# KiCad board Notecarrier-F.kicad_pcb (continued)
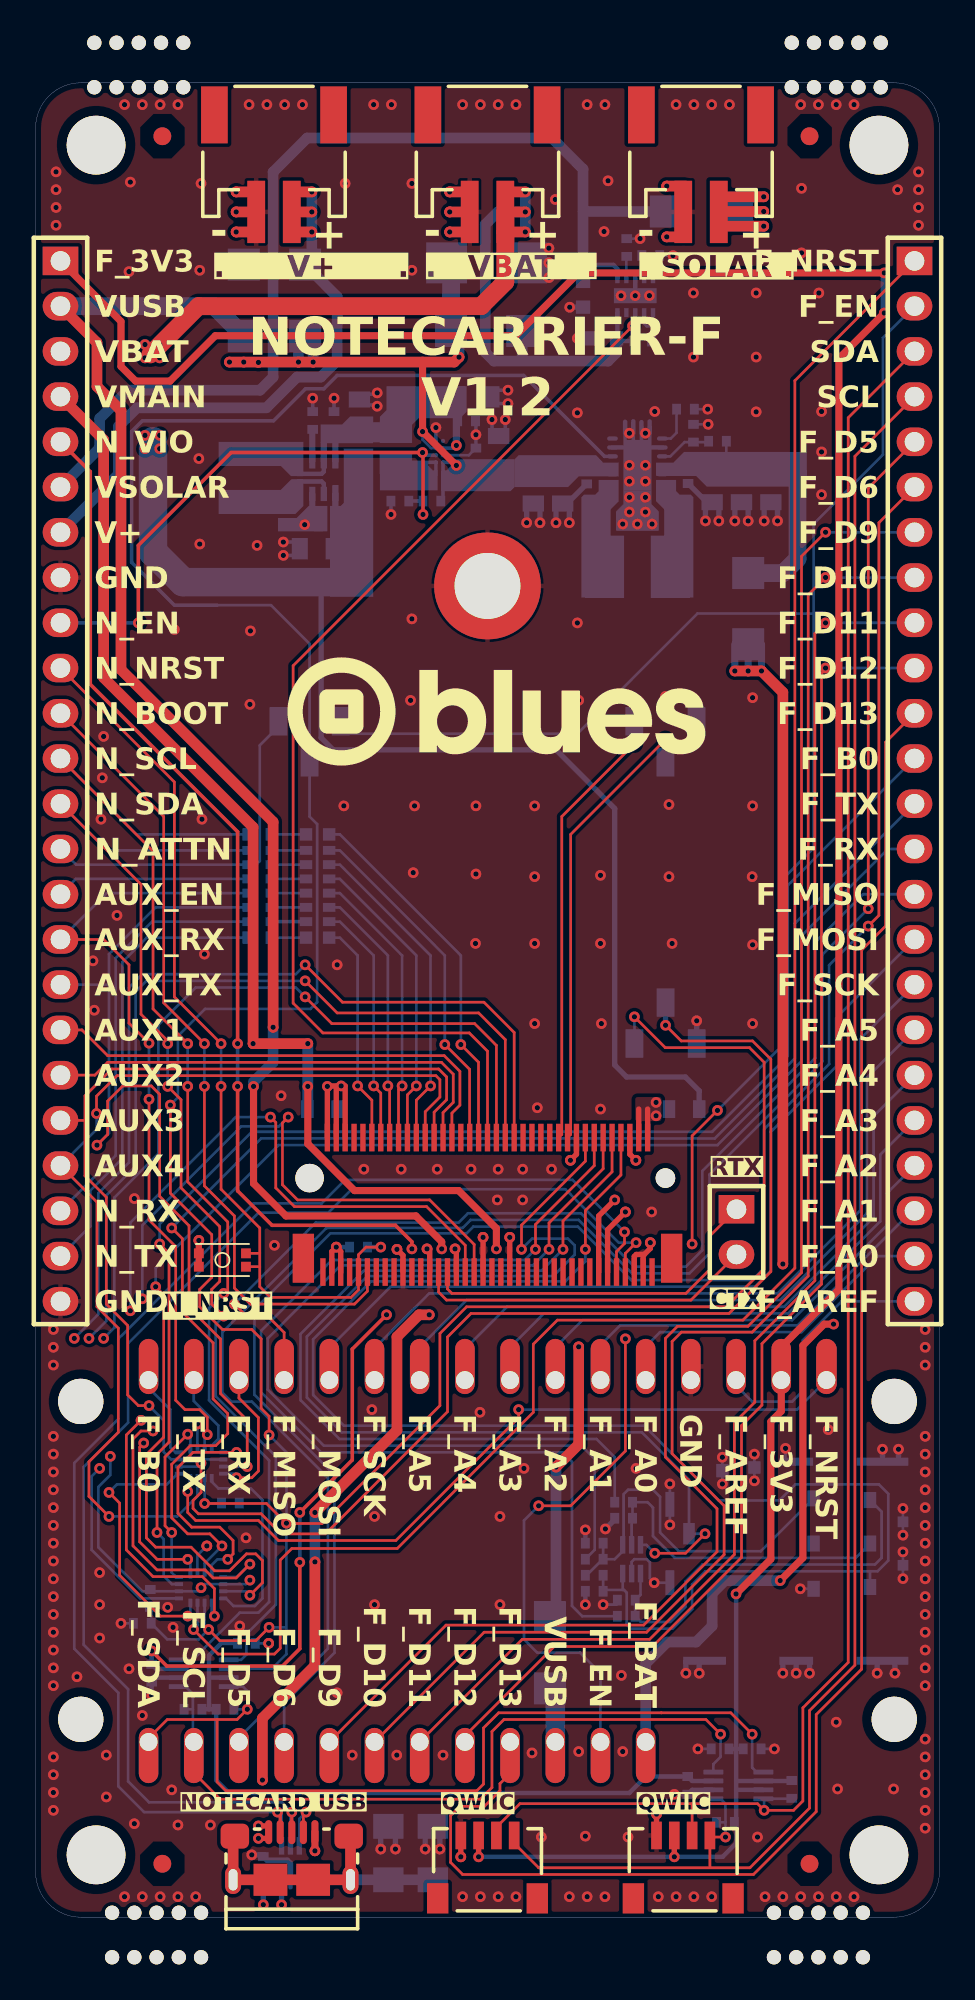
[diagram p0: board, top side]
## Library data of the parts (continued)
R3 = -: Description: Resistor; Datasheet 2: https://datasheet.octopart.com/CR0402-FX-4990GLF-Bourns-datasheet-159578630.pdf; Datasheet 3: https://datasheet.octopart.com/RC0402FR-07499RP-Yageo-datasheet-164759695.pdf; Design Description: Resistor 499R ±1% 0402; Design MPN: N/A; Design Manufacturer: N/A; MPN: 0402WGF4990TCE; MPN 2: CR0402-FX-4990GLF; MPN 3: RC0402FR-07499RP; Manufacturer: Royal Ohm; Manufacturer 2: Bourns; Manufacturer 3: Yageo; Mfr Description: Res Thick Film 0402 499 Ohm 1% 0.063W(1/16W) ±100ppm/°C Pad SMD T/R; Mfr Description 2: SMD Chip Resistor, 499 Ohm, ± 1%, 63 mW, 0402 [1005 Metric], Thick Film, General Purpose; Mfr Description 3: Res General Purpose Thick Film 0402 499 Ohm 1% 1/16W ±100ppm/°C Molded SMD Paper T/R
R5 = -: Description: Resistor; Datasheet 2: http://datasheet.octopart.com/CRCW12061M00FKEA-Vishay-datasheet-62317937.pdf; Datasheet 3: https://datasheet.octopart.com/RC1206FR-071ML-Yageo-datasheet-8359522.pdf; Datasheet 4: https://datasheet.octopart.com/CRCW12061M00FKEAC-Vishay-datasheet-546287.pdf; Design Description: Resistor 1M ±1% 1206; Design MPN: N/A; Design Manufacturer: N/A; MPN: CR1206-FX-1004ELF; MPN 2: CRCW12061M00FKEA; MPN 3: RC1206FR-071ML; MPN 4: CRCW12061M00FKEAC; Manufacturer: Bourns; Manufacturer 2: Vishay; Manufacturer 3: Yageo; Manufacturer 4: Vishay; Mfr Description: Res Thick Film 1206 1M Ohm 1% 1/4W ±100ppm/°C Molded SMD SMD Paper Tape on Plastic Reel; Mfr Description 2: Res Thick Film 1206 1M Ohm 1% 1/4W ±100ppm/°C Molded SMD SMD Paper T/R; Mfr Description 3: Res Thick Film 1206 1M Ohm 1% 0.25W(1/4W) ±100ppm/C Pad SMD T/R; Mfr Description 4: Res Thick Film 1206 1M Ohm 1% 1/4W ±100ppm/°C Molded SMD Paper T/R
R6 = -: Description: Resistor; Datasheet 2: http://datasheet.octopart.com/RC0402FR-0715KL-Yageo-datasheet-10408619.pdf; Datasheet 3: https://datasheet.octopart.com/CRCW040215K0FKTD-Vishay-datasheet-546287.pdf; Design Description: Resistor 15k ±1% 0402; Design MPN: N/A; Design Manufacturer: N/A; Design Order Code: P15.0KLCT-ND; Design Supplier: Digi-Key; MPN: PFR05S-153-FNH; MPN 2: RC0402FR-0715KL; MPN 3: CRCW040215K0FKTD; Manufacturer: Cyntec; Manufacturer 2: Yageo; Manufacturer 3: Vishay; Mfr Description: Res SMD 15 Kohm 1% 1/16W 0402; Mfr Description 2: Res Thick Film 1.0 x 0.5 mm 15K Ohm 1% 0.063W(1/16W) 100ppm/ C Molded SMD Paper T/R; Mfr Description 3: Res Thick Film 0402 15K Ohm 1% 0.063W(1/16W) ±100ppm/C Pad SMD Automotive T/R
R7-R9 = -: Description: Resistor; Design Description: Resistor 22R ±1% 0402; Design MPN: N/A; Design Manufacturer: N/A; Design Order Code: 311-22.0LRCT-ND; Design Supplier: Digi-Key; MPN: RC0402FR-0722RL; Manufacturer: Yageo; Mfr Description: Res Thick Film 0402 22 Ohm 1% 0.063W(1/16W) ±100ppm/C Pad SMD T/R
R13 = -: Description: Resistor; Datasheet 2: https://datasheet.octopart.com/RC0402FR-071M1L-Yageo-datasheet-164759695.pdf; Design Description: Resistor 1M1 ±1% 0402; Design MPN: N/A; Design Manufacturer: N/A; Design Order Code: 13-RC0402FR-071M1LCT-ND; Design Supplier: Digi-Key; MPN: AC0402FR-071M1L; MPN 2: RC0402FR-071M1L; Manufacturer: Yageo; Manufacturer 2: Yageo; Mfr Description: Res Thick Film 0402 1.1M Ohm 1% 0.063W(1/16W) ±100ppm/C Pad SMD Automotive T/R; Mfr Description 2: SMD Chip Resistor, 1.1 MOhm, ± 1%, 63 mW, 0402 [1005 Metric], Thick Film, General Purpose
R14 = -: Description: Resistor; Design Description: Resistor 180k ±1% 0402; Design MPN: N/A; Design Manufacturer: N/A; MPN: RC0402FR-07180KL; Manufacturer: Yageo; Mfr Description: Res Thick Film 0402 180K Ohm 1% 1/16W +/-100ppm/ßC Molded SMD Paper T/R
R17 = -: Description: Resistor; Datasheet 2: http://datasheet.octopart.com/RC0402FR-0782KL-Yageo-datasheet-62067350.pdf; Datasheet 3: http://datasheet.octopart.com/RMCF0402FT82K0-Stackpole-Electronics-datasheet-62091608.pdf; Design Description: Resistor 82k ±1% 0402; Design MPN: RC0402FR-0782KL; Design Manufacturer: Yageo; Design Order Code: 311-82.0KLRCT-ND; Design Supplier: Digi-key; MPN: CRCW040282K0FKED; MPN 2: RC0402FR-0782KL; MPN 3: RMCF0402FT82K0; Manufacturer: Vishay; Manufacturer 2: Yageo; Manufacturer 3: Stackpole Electronics; Mfr Description: Res Thick Film 0402 82K Ohm 1% 1/16W ±100ppm/°C Molded SMD Paper T/R; Mfr Description 2: Res Thick Film 0402 82K Ohm 1% 0.063W(1/16W) ±100ppm/C Pad SMD T/R; Mfr Description 3: Res Thick Film 0402 82K Ohm 1% 0.063W(1/16W) ±100ppm/C Pad SMD Automotive T/R
R18 = -: Description: Resistor; Design Description: Resistor 100k ±1% 0402; Design MPN: N/A; Design Manufacturer: N/A; Design Order Code: RHM100CDCT-ND; Design Supplier: Digi-Key; MPN: RC0402FR-07100KL; Manufacturer: Yageo; Mfr Description: Res General Purpose Thick Film 0402 100K Ohm 1% 1/16W ±100ppm/°C Molded SMD Paper T/R
R19 = -: Description: Resistor; Datasheet 2: https://datasheet.octopart.com/AC0402FR-0710ML-Yageo-datasheet-12512238.pdf; Design Description: Resistor 10M ±1% 0402; Design MPN: N/A; Design Manufacturer: N/A; Design Order Code: RC0402FR-0710ML; Design Supplier: Digi-Key; MPN: RC0402FR-0710ML; MPN 2: AC0402FR-0710ML; Manufacturer: Yageo; Manufacturer 2: Yageo; Mfr Description: Res General Purpose Thick Film 0402 10M Ohm 1% 1/16W ±100ppm/°C Molded Paper T/R; Mfr Description 2: Res Thick Film 0402 10M Ohm 1% 0.063W(1/16W) ±100ppm/C Pad SMD Automotive T/R
SW1 SW3 SW4 = -: Description: SWITCH SLIDE SPDT 100MA 6V; Datasheet 2: https://datasheet.octopart.com/CJS-1200TA1-Nidec-Copal-datasheet-138895868.pdf; Design Description: Switch Slide N.O./N.C. SPDT Raised Slide 0.1A 24VDC J-Hook SMD Embossed T/R; Design Manufacturer: Nidec Copal; Design Order Code: 563-1021-6-ND; Design Supplier: Digi-Key; MPN 2: CJS-1200TA1; MPN 3: CJS-1200TA2; Manufacturer: Nidec Copal; Manufacturer 2: Nidec Copal; Manufacturer 3: Nidec Copal; Mfr Description: Switch Slide N.O./N.C. SPDT Raised Slide 0.1A 24VDC J-Hook SMD Embossed T/R; Mfr Description 2: Switch Slide DIP SPDT 100MA 6V; Mfr Description 3: SPDT, ON-ON Slide, 100mA @ 6V DC J-Hook SMD Terminals, T&R 1, 000 pc Packaging, Non-washable with tape
SW2 = -: Description: Push button switch, generic, two pins; Design Description: SWITCH TACTILE SPST-NO 0.05A 15V; Design Manufacturer: Panasonic Electronic Components; Manufacturer: Panasonic; Mfr Description: Switch Tactile N.O. SPST Round Button Gull Wing 0.02A 15VDC 1.6N SMD T/R
TVS1 = -: Description: 600W unidirectional Transil Transient Voltage Suppressor, 6.8Vrwm, DO-214AA; Design Description: DIODO TVS TRANSIL UNIDIR. 600W 6.8V SM6T6V8A SMB SMT; Design Manufacturer: STMicroelectronics; Design Order Code: 497-6501-1-ND; Design Supplier: Digi-Key; Manufacturer: STMicroelectronics; Mfr Description: SM6T Series 600 W 6.8 V Uni Directional Transient Voltage Suppressor - DO-214AA
TVS2 TVS3 = -: Description: Low capacitance unidirectional fivefold ESD protection diode array, 5.0V, Common Anode, SOT-666; Datasheet 2: http://datasheet.octopart.com/PESD5V0L5UV%2C115-Nexperia-datasheet-87153653.pdf; Datasheet 3: http://datasheet.octopart.com/PESD5V0L5UV%2C125-Nexperia-datasheet-87153653.pdf; Design Description: PESD Series 25 W 5 V Uni-Directional Fivefold ESD Protection Diode Array SOT-666; Design Manufacturer: Nexperia; Design Order Code: 1727-5797-1-ND; Design Supplier: Digi-Key; MPN: ESDLC5V0M5-TP; MPN 2: PESD5V0L5UV,115; Manufacturer: MCC; Manufacturer 2: Nexperia; Manufacturer 3: Nexperia; Mfr Description: ESD Suppressors / TVS Diodes 5V ESD Protection Devices; Mfr Description 2: PESD5V0L5UV - Low capacitance unidirectional fivefold ESD protection diode arrays; Mfr Description 3: PESD5V0L5UV - Low capacitance unidirectional fivefold ESD protection diode arrays
U1 U4 = -: Description: 2-Bit Bidirectional Voltage-Level Shifter for Open-Drain and Push-Pull Application, VSSOP-8; Design Description: 2-Bit Bidirectional Voltage-Level Shifter for Open-Drain and Push-Pull Application 8-VSSOP -40 to 85; Design Manufacturer: Texas Instruments; Design Order Code: 296-21931-6-ND; Design Supplier: Digi-Key; Manufacturer: Texas Instruments; Mfr Description: 2-Bit Bidirectional Voltage-Level Shifter for Open-Drain and Push-Pull Application 8-VSSOP -40 to 85
U2 = -: Description: 800-mA, Single-Input, Single-Cell Li-Ion Battery Solar Charger, WSON-10; Datasheet 2: https://octopart.com/opatz8j6/c1?t=7-wFuY1_ByudSAAsJC5ycWYTRP1PWjGzQzkpC1UJkB-6S8__xUAgFX3zS8o22TUmX1CoCcQ0-DS4Q8Lnah3WuvJtCgUoWGmJ8w_8yyqZChGCOFPCA04McPPhnVPekbB0VuZFonNkBUVZeKPS7CTOQcrgFNldMHL8btboxagtUS-JggrKVKUMqt_TodDWQCVPzQL6-rWxXMbOcd93UPs3bkeZBJMV0B-BIXruUq603aPnbs2cirKc8w; Design Description: INTEGRATO BQ24210DQCT WSON10 TEXAS SMT; Design Manufacturer: Texas Instruments; Design Order Code: 296-28738-1-ND; Design Supplier: Digi-Key; MPN: BQ24210DQCR; Manufacturer: Texas Instruments; Manufacturer 2: Texas Instruments; Mfr Description: 800mA, single-input, single cell Li-ion Solar battery charger 10-WSON -40 to 85; Mfr Description 2: 800mA, single-input, single cell Li-ion Solar battery charger 10-WSON -40 to 85
U3 = -: Description: IC REG BCK BST ADJ 3.5A 14VSON; Datasheet 2: https://octopart.com/opatz8j6/c1?t=F5MXvDztptQJYCfOaNqYA5YHpfzi7D1AHzYd-XHzW7g_thqbuF__O_vXfmE0jJ46NgLLDlM8ofj3SDFn8zJFZl_xieY9lCYbTUCWS9BKVt-rn9Ej28tDD2laRkV3v3CrmnJAqFvwwvnV5K1NF-McG067VJKWB2jr3_fCLuqC6xHur-_TTE0jf1muCpHSy-57uUACq7843wDux1UHMTnGkEapj4d0IEsudcTewT4BXKt6F798FVmvgLg; Design Description: I.C. DC/DC CONVERTER TPS63020DSJR TEXAS VSON14 SMT; Design Manufacturer: Texas Instruments; Design Order Code: 296-36491-1-ND; Design Supplier: Digi-Key; MPN 2: TPS63020DSJT; Manufacturer: Texas Instruments; Manufacturer 2: Texas Instruments; Mfr Description: High Efficiency Single Inductor Buck-Boost Converter with 4A Switch 14-VSON -40 to 125; Mfr Description 2: High Efficiency Single Inductor Buck-Boost Converter with 4A Switch 14-VSON -40 to 125
U5 U6 = -: Description: Analog Switch Dual DPDT / Quad SPDT; Design Description: Analog Switch Quad SPDT Automotive 16-Pin Mini-QFN T/R; Design Manufacturer: Vishay; Design Order Code: DGQ2788AEN-T1-GE4CT-ND; Design Supplier: Digi-Key; Manufacturer: Vishay; Mfr Description: Analog Switch Quad SPDT Automotive 16-Pin Mini-QFN T/R
U7 = -: Description: Boost Switching Regulator IC Positive Adjustable 1.8V 1 Output 1A (Switch) 6-WDFN without "BOOST" label; Design Description: IC REG BOOST ADJ 1A NANO 6UDFN; Design Manufacturer: Maxim; Design Order Code: MAX17225ELT+ -ND; Design Supplier: Digi-Key; MPN: MAX17225ELT+T; Manufacturer: Maxim Integrated; Mfr Description: nanoPower Boost Converter that Extends Battery Life and Reduces Solution Size
U8 = -: Description: IC REG BUCK PROG 300MA 8DSBGA without "BUCK" label; Datasheet 2: https://octopart.com/click/track?ai=8983&ct=datasheets&sig=0bb88ac&at=physicalpart&sid=370&ppid=65759720&hlid=32268020; Design Description: IC REG BUCK PROG 300MA 8DSBGA; Design Manufacturer: Texas Instruments; Design Order Code: 296-43000-1-ND; Design Supplier: Digi-Key; MPN: TPS62748YFPR; Manufacturer: Texas Instruments; Manufacturer 2: Texas Instruments; Mfr Description: High-efficiency Buck Converter with Ultra-low Quiescent Current and Load Switch 8-DSBGA -40 to 125; Mfr Description 2: Conv DC-DC 2.15V to 5.5V Step Down Single-Out 1.2V/1.8V 0.3A 8-Pin DSBGA T/R

## Footprints (pads in the part's own frame, mm; a bottom-side part is the same pattern mirrored in y, then rotated)
12PIN_254MM_Fv1.2
  rrect 1.1x3.1 hole 1: 1(0,0) 2(2.54,0) 3(5.08,0) 4(7.62,0) 5(10.16,0) 6(12.7,0) 7(15.24,0) 8(17.78,0) 9(20.32,0) 10(22.86,0) 11(25.4,0) 12(27.94,0)
16PIN_254MM_Fv1.2
  rrect 1.16x3.1 hole 1: 1(0,0)
  rrect 1.1x3.1 hole 1: 2(2.54,0) 3(5.08,0) 4(7.62,0) 5(10.16,0) 6(12.7,0) 7(15.24,0) 8(17.78,0) 9(20.32,0) 10(22.86,0) 11(25.4,0) 12(27.94,0) 13(30.48,0) 14(33.02,0) 15(35.56,0) 16(38.1,0)
1285AS-H-2R2M=P2-INDC2016X100N_Fv1.2
  rect 1.2x1.82 smd: 1(-0.86,0) 2(0.86,0)
C-0402_Fv1.2
  rect 0.5x0.6 smd: 1(-0.5,0) 2(0.5,0)
C-0603_Fv1.2
  rect 0.75x0.8 smd: 1(-0.725,0) 2(0.725,0)
C-0805_Fv1.2
  rect 0.9x1.2 smd: 1(-0.95,0) 2(0.95,0)
C-1206_Fv1.2
  rect 1.4x1.7 smd: 1(-1.5,0) 2(1.5,0)
CES-124-01-S-S_Fv1.2
  rect 2x1.6 hole 1.1: 1(0,0)
  oval 2x1.6 hole 1.1: 2(0,-2.54) 3(0,-5.08) 4(0,-7.62) 5(0,-10.16) 6(0,-12.7) 7(0,-15.24) 8(0,-17.78) 9(0,-20.32) 10(0,-22.86) 11(0,-25.4) 12(0,-27.94) 13(0,-30.48) 14(0,-33.02) 15(0,-35.56) 16(0,-38.1) 17(0,-40.64) 18(0,-43.18) 19(0,-45.72) 20(0,-48.26) 21(0,-50.8) 22(0,-53.34) 23(0,-55.88) 24(0,-58.42)
CONN_02_Fv1.2
  rect 2x1.6 hole 1.1: 1(0,0)
  oval 2x1.6 hole 1.1: 2(0,-2.54)
DIST-WASMSIM0250_Fv1.2
  round 6 hole 3.7: 1(0,0)
DO-214AC SMA_Fv1.2
  rect 1.8x1.8 smd: 1(-2,0) 2(2,0)
FCI USB 10118193-0001LF_Fv1.2
  oval 0.4x1.35 smd: 1(1.3,-2.625) 2(0.65,-2.625) 3(0,-2.625) 4(-0.65,-2.625) 5(-1.3,-2.625)
  oval 0.9x1.6 hole 0.5x1.2: 6(-3.3,0.05) 6(3.3,0.05)
  rrect 1.6x1.4 smd: 6(-3.2,-2.4) 6(3.2,-2.4)
  rect 1.9x1.8 smd: 6(-1.2,0.05) 6(1.2,0.05)
Fiducial mark 1mm_Fv1.2
  round 1 smd: (0,0)
FS-0603_Fv1.2
  rect 0.7x1 smd: 1(-0.85,0) 2(0.85,0)
IND_XFL4020-222MEC_Fv1.2
  rect 0.98x3.4 smd: 1(-1.185,0) 2(1.185,0)
J-75-0050-MOS-M2_Fv1.2
  rect 1.2x2.75 smd: (-10.35,3) (10.35,3)
  round 1.1 hole 1.1 unplated: (-10,-1.5)
  rect 0.3x1.55 smd: (-3.5,-3.775) (-3.25,3.775) (-3,-3.775) (-2.75,3.775) (-2.5,-3.775) (-2.25,3.775) (-2,-3.775) (-1.75,3.775) 1(-9.25,3.775) 2(-9,-3.775) 3(-8.75,3.775) 4(-8.5,-3.775) 5(-8.25,3.775) 6(-8,-3.775) 7(-7.75,3.775) 8(-7.5,-3.775) 9(-7.25,3.775) 10(-7,-3.775) 11(-6.75,3.775) 12(-6.5,-3.775) 13(-6.25,3.775) 14(-6,-3.775) 15(-5.75,3.775) 16(-5.5,-3.775) 17(-5.25,3.775) 18(-5,-3.775) 19(-4.75,3.775) 20(-4.5,-3.775) 21(-4.25,3.775) 22(-4,-3.775) 23(-3.75,3.775) 32(-1.5,-3.775) 33(-1.25,3.775) 34(-1,-3.775) 35(-0.75,3.775) 36(-0.5,-3.775) 37(-0.25,3.775) 38(0,-3.775) 39(0.25,3.775) 40(0.5,-3.775) 41(0.75,3.775) 42(1,-3.775) 43(1.25,3.775) 44(1.5,-3.775) 45(1.75,3.775) 46(2,-3.775) 47(2.25,3.775) 48(2.5,-3.775) 49(2.75,3.775) 50(3,-3.775) 51(3.25,3.775) 52(3.5,-3.775) 53(3.75,3.775) 54(4,-3.775) 55(4.25,3.775) 56(4.5,-3.775) 57(4.75,3.775) 58(5,-3.775) 59(5.25,3.775) 60(5.5,-3.775) 61(5.75,3.775) 62(6,-3.775) 63(6.25,3.775) 64(6.5,-3.775) 65(6.75,3.775) 66(7,-3.775) 67(7.25,3.775) 68(7.5,-3.775) 69(7.75,3.775) 70(8,-3.775) 71(8.25,3.775) 72(8.5,-3.775) 73(8.75,3.775) 74(9,-3.775) 75(9.25,3.775)
  round 1.6 hole 1.6 unplated: (10,-1.5)
J-NANOSIM-SF72S006VBA_Fv1.2
  rect 0.9x0.7 smd: C1(1.46,-4.05) C2(-0.98,-4.05) C3(-3.42,-4.05) C5(1.56,-0.88) C6(-0.98,-0.88) C7(-3.52,-0.88)
  rect 0.7x0.7 smd: CSW(-5.25,2.45)
  rect 1.2x0.65 smd: DSW(-1.53,6.125)
  rect 0.45x2.9 smd: SH(-5.575,-4.75) SH(5.6,-4.75)
  rect 0.45x1.9 smd: SH(-5.575,0.1) SH(5.6,0.1)
  rect 0.75x0.7 smd: SH(-5.075,4.25)
  rect 1.4x0.5 smd: SH(-3.18,7.2) SH(1.22,7.2)
  rect 0.6x0.6 smd: SH(-2.2,-5.9) SH(0.24,-5.9)
  rect 0.45x2.4 smd: SH(5.6,5.25)
JST S2B-PH-SM4-TB_Fv1.2
  rect 1.5x3.2 smd: (-3.35,1.2) (3.35,1.2)
  rect 1x3.5 smd: 1(-1,-4.25) 2(1,-4.25)
JST SM04B-SRSS-TB_Fv1.2
  rect 1.2x1.7 smd: (-2.8,1.5) (2.8,1.5)
  rect 0.6x1.55 smd: 1(-1.5,-2.032) 2(-0.5,-2.032) 3(0.5,-2.032) 4(1.5,-2.032)
MAX17225ELT+UDFN_Fv1.2
  rect 0.9x0.35 smd: 1(0.05,0)
  rect 0.8x0.35 smd: 2(0,-0.65) 3(0,-1.3) 4(1.83,-1.3) 5(1.83,-0.65) 6(1.83,0)
MountingHole_2.54mm_no-courtyard
  round 2.54 hole 2.54 unplated: (0,0)
MountingHole_3.3mm_no-courtyard
  round 3.3 hole 3.3 unplated: (0,0)
mouse-bite-5x0.8P1.25_Fv1.2
  round 0.8 hole 0.8 unplated: (0.25,2.25) (0.25,-0.25) (1.5,2.25) (1.5,-0.25) (2.75,2.25) (2.75,-0.25) (4,2.25) (4,-0.25) (5.25,2.25) (5.25,-0.25)
QFN40P260X180X60-16N_Fv1.2
  rrect 0.562x0.225 smd: 1(-0.795,0.6)
  rrect 0.463x0.22 smd: 2(-0.845,0.2) 3(-0.845,-0.2) 4(-0.845,-0.6) 9(0.845,-0.6) 10(0.845,-0.2) 11(0.845,0.2) 12(0.845,0.6)
  rrect 0.22x0.463 smd: 5(-0.6,-1.245) 6(-0.2,-1.245) 7(0.2,-1.245) 8(0.6,-1.245) 13(0.6,1.245) 14(0.2,1.245) 15(-0.2,1.245) 16(-0.6,1.245)
R-0402_Fv1.2
  rect 0.5x0.6 smd: 1(-0.5,0) 2(0.5,0)
R-1206_Fv1.2
  rect 1.4x1.7 smd: 1(-1.5,0) 2(1.5,0)
RESCAXS80P640X160X50-16N_Fv1.2
  rect 0.7x0.7 smd: 1(-2.9,-0.65) 8(2.9,-0.65) 9(2.9,0.65) 16(-2.9,0.65)
  rect 0.5x0.7 smd: 2(-2,-0.65) 3(-1.2,-0.65) 4(-0.4,-0.65) 5(0.4,-0.65) 6(1.2,-0.65) 7(2,-0.65) 10(2,0.65) 11(1.2,0.65) 12(0.4,0.65) 13(-0.4,0.65) 14(-1.2,0.65) 15(-2,0.65)
SMB_Fv1.2
  rect 2.3x2.3 smd: 1(2.25,0) 2(-2.25,0)
SOP50P310X90-8N_Fv1.2
  rrect 1.12x0.27 smd: 1(-1.405,0.75) 2(-1.405,0.25) 3(-1.405,-0.25) 4(-1.405,-0.75) 5(1.405,-0.75) 6(1.405,-0.25) 7(1.405,0.25) 8(1.405,0.75)
SOT666_Fv1.2
  rect 0.3x0.99 smd: 1(-0.5,-0.805) 2(0,-0.805) 3(0.5,-0.805) 4(0.5,0.805) 5(0,0.805) 6(-0.5,0.805)
SW_CJS-1200TA_Fv1.2
  rect 1x1.6 smd: 1(-1.75,-1.15) 2(0,1.15) 3(1.75,-1.15)
SW_EVP-BB2A9B000_Fv1.2
  rect 0.55x0.55 smd: 1(-1.325,0.375) 1(-1.325,-0.375) 2(1.325,0.375) 2(1.325,-0.375)
TI PVSON-14 DSJ_Fv1.2
  oval 0.6x0.24 smd: 1(-1.4,1.5) 2(-1.4,1) 3(-1.4,0.5) 4(-1.4,0) 5(-1.4,-0.5) 6(-1.4,-1) 7(-1.4,-1.5) 8(1.4,-1.5) 9(1.4,-1) 10(1.4,-0.5) 11(1.4,0) 12(1.4,0.5) 13(1.4,1) 14(1.4,1.5)
  rect 0.2x0.775 smd: 15(-0.69,-1.8) 15(-0.69,1.8) 15(-0.23,-1.8) 15(-0.23,1.8) 15(0.23,-1.8) 15(0.23,1.8) 15(0.69,-1.8) 15(0.69,1.8)
  rect 1.58x2.85 smd: 15(0,0)
TPS62748YFPT-DSBGA4x2_Fv1.2
  round 0.245 smd: A1(0,0) A2(0.4,0) B1(0,-0.4) B2(0.4,-0.4) C1(0,-0.8) C2(0.4,-0.8) D1(0,-1.2) D2(0.4,-1.2)
VCHA042A-1R5MS6_Fv1.2
  rect 2.2x3.5 smd: 1(-1.85,0) 2(1.85,0)
weird-no-fill-via_Fv1.2
  round 0.6 smd: (0,0)
WSON10-EXP_Fv1.2
  rect 0.5x0.25 smd: 1(-0.95,1) 2(-0.95,0.5) 3(-0.95,0) 4(-0.95,-0.5) 5(-0.95,-1) 6(0.95,-1) 7(0.95,-0.5) 8(0.95,0) 9(0.95,0.5) 10(0.95,1)
  rect 0.84x2.4 smd: 11(0,0)

## Nets
1V8: C20.1 C21.2 C28.2 C32.2 L1.2 L3.1 U7.5 U7.6 U8.C2
GND: C1.1 C2.1 C3.2 C4.2 C5.1 C6.1 C7.1 C8.1 C9.1 C10.1 C11.2 C12.2 C13.2 C14.2 C15.1 C16.1 C17.1 C18.1 C19.1 C20.2 C21.1 C22.2 C23.2 C24.2 C25.1 C26.2 C27.1 C28.1 C29.1 C30.1 C31.2 C32.1 J1.1 J2.1 J3.1 J4.5 J5.C5 J5.CSW J5.SH J6.3 J6.5 J6.6 J6.11 J6.18 J6.33 J6.39 J6.45 J6.51 J6.57 J6.71 J6.73 J7.4 J8.4 J10.8 J10.24 MODL1.4 OBJ1.1 R3.1 R4.1 R5.2 R14.1 R16.2 R17.2 REF**#6. REF**#15. SW2.2 SW4.1 TVS1.2 TVS2.2 TVS3.2 U1.2 U2.3 U2.11 U3.2 U3.13 U3.15 U4.2 U5.2 U6.2 U7.3 U8.B2 U8.D1
VBAT: C2.2 DS2.1 J3.2 J10.3 R2.2 U2.10
/Feather/ALT_DFU_ACTIVE: J6.36 R18.1 U5.6 U5.14
/Feather/ALT_DFU_BOOT: J6.32 U5.1
/Feather/ALT_DFU_RESET: J6.34 U5.13
/Feather/ALT_DFU_RX: J6.41 U5.5
/Feather/ALT_DFU_TX: J6.43 U5.9
/Feather/DFU_SW: SW4.2 U6.6 U6.14
/Feather/EN_F_BAT: C10.2 C15.2 R18.2 SW3.2 SW4.3 U3.12 U4.6 U5.10 U6.10
/Feather/F_A0: J9.23 MODL1.5
/Feather/F_A1: J9.22 MODL1.6
/Feather/F_A2: J9.21 MODL1.7
/Feather/F_A3: J9.20 MODL1.8
/Feather/F_A4: J9.19 MODL1.9
/Feather/F_A5: J9.18 MODL1.10
/Feather/F_AREF: J9.24 MODL1.3
/Feather/F_B0: MODL1.16 U6.16
/Feather/F_B0_SW: J9.12 U5.15
/Feather/F_D5: J9.5 MODR1.10
/Feather/F_D6: J9.6 MODR1.9
/Feather/F_D9: J9.7 MODR1.8
/Feather/F_D10: J9.8 MODR1.7
/Feather/F_D11: J9.9 MODR1.6
/Feather/F_D12: J9.10 MODR1.5
/Feather/F_D13: J9.11 MODR1.4
/Feather/F_EN: J9.2 MODR1.2 SW3.3
/Feather/F_MISO: J9.15 MODL1.13
/Feather/F_MOSI: J9.16 MODL1.12
/Feather/F_NRST: MODL1.1 U6.12
/Feather/F_NRST_SW: J9.1 U5.11
/Feather/F_RX: MODL1.14 U6.8
/Feather/F_RX_SW: J9.14 U5.7
/Feather/F_SCK: J9.17 MODL1.11
/Feather/F_SCL: MODR1.11 R12.1 U1.4 U4.1
/Feather/F_SDA: MODR1.12 R11.1 U1.5 U4.8
/Feather/F_TX: MODL1.15 U6.4
/Feather/F_TX_SW: J9.13 U5.3
/Feather/F_VUSB: DS6.1 MODR1.3
/Feather/N_ATTN: J10.14 R20.6 SW3.1
/Feather/N_AUX3: J6.50 J10.20 U6.15
/Feather/N_AUX4: J6.52 J10.21 U6.11
/Feather/N_AUX_RX: J10.16 R20.4 U6.3
/Feather/N_AUX_TX: J10.17 R20.3 U6.7
/Feather/SW_SCL: J7.1 J8.1 J9.4 R15.2 U1.1
/Feather/SW_SDA: J7.2 J8.2 J9.3 R10.1 U1.8
/IO/N_AUX_EN: J10.15 R20.5
/IO/N_BOOT: J6.65 J10.11
/IO/N_NRST: C9.2 J6.67 J10.10 SW2.1
/IO/N_RX: J10.22 R20.2
/IO/N_TX: J10.23 R20.1
/N_EN: C31.1 J10.9 R19.1 U8.B1
/Notecard/ATTN_P: J6.54 R1.11
/Notecard/AUX_CHARGING: J6.38 U2.8
/Notecard/AUX_EN_P: J6.56 R1.12
/Notecard/AUX_RX_P: J6.58 R1.13
/Notecard/AUX_TX_P: J6.60 R1.14
/Notecard/CTX: J6.49 J11.2
/Notecard/D_N: J4.2 J6.9 TVS3.4
/Notecard/D_P: J4.3 J6.7 TVS3.5
/Notecard/N_AUX1: J6.46 J10.18
/Notecard/N_AUX2: J6.48 J10.19
/Notecard/N_SCL: J10.12 R20.8 U4.4
/Notecard/N_SDA: J10.13 R20.7 U4.5
/Notecard/RTX: J6.47 J11.1
/Notecard/RX_P: J6.62 R1.15
/Notecard/SIM_CLK: J6.14 R8.1
/Notecard/SIM_IO: J6.12 R9.1
/Notecard/SIM_NPRESENT: J5.DSW J6.16 TVS2.6
/Notecard/SIM_RST: J6.10 R7.1
/Notecard/SIM_VCC: C5.2 J5.C1 J6.8 R6.2 TVS2.3
/Notecard/TX_P: J6.64 R1.16
F_3V3: C12.1 J7.3 J8.3 J10.1 MODL1.2 R10.2 R15.1 R16.1 U1.6 U1.7
F_BAT: C11.1 C14.1 DS5.2 MODR1.1 R11.2 R12.2 U1.3 U4.7
N_VIO: C13.1 C19.2 C29.2 F1.1 J10.5 U4.3 U7.1
V+: DS1.1 J1.2 J10.7
VIO_P: F1.2 J6.2 J6.4
VMAIN: C16.2 C17.2 C26.1 C27.2 C30.2 DS1.2 DS2.2 DS6.2 F2.1 J10.4 R19.2 TVS1.1 U3.10 U3.11 U8.A2 U8.C1
VSOLAR: C1.2 DS3.2 DS4.2 J10.6 U2.1
VUSB: C3.1 DS3.1 J4.1 J6.13 J10.2 TVS3.3
Net-(DS4-A): DS4.1 J2.2
Net-(DS5-A): C22.1 C23.1 C24.1 C25.2 DS5.1 R13.2 U3.4 U3.5
Net-(F2-Pad2): F2.2 J6.70 J6.72 J6.74
Net-(J4-ID): J4.4 TVS3.6
Net-(J4-Shield): C4.1 J4.6 R5.1
Net-(J5-CLK): C7.2 J5.C3 R8.2 TVS2.1
Net-(J5-I/O): C8.2 J5.C7 R6.1 R9.2 TVS2.4
Net-(J5-RST): C6.2 J5.C2 R7.2 TVS2.5
Net-(J6-SCL_P): J6.40 R1.9
Net-(J6-SDA_P): J6.42 R1.10
Net-(J6-VACT_GPS_IN): J6.22 SW1.1
Net-(J6-VACT_GPS_OUT): J6.20 SW1.2
Net-(R1-R1_1): R1.1 R20.16
Net-(R1-R2_1): R1.2 R20.15
Net-(R1-R3_1): R1.3 R20.14
Net-(R1-R4_1): R1.4 R20.13
Net-(R1-R5_1): R1.5 R20.12
Net-(R1-R6_1): R1.6 R20.11
Net-(R1-R7_1): R1.7 R20.10
Net-(R1-R8_1): R1.8 R20.9
Net-(U2-ISET): R3.2 U2.2
Net-(U2-TS): R4.2 U2.4 U2.5
Net-(U2-~{EN}): R2.1 U2.6 U2.7
Net-(U3-FB): R13.1 R14.2 U3.3
Net-(U3-L1-1): L2.2 U3.8 U3.9
Net-(U3-L2-1): L2.1 U3.6 U3.7
Net-(U3-VINA): C18.2 U3.1
Net-(U5-COM1): U5.12 U6.13
Net-(U5-COM2): U5.16 U6.1
Net-(U5-COM3): U5.4 U6.5
Net-(U5-COM4): U5.8 U6.9
Net-(U7-LX): L1.1 U7.2
Net-(U7-SEL): R17.1 U7.4
Net-(U8-SW): L3.2 U8.A1

Pads without a net: J5 C6; J6 1 15 17 19 21 23 35 37 44 53 55 59 61 63 66 68 69 75; SW1 3; TVS3 1; U2 9; U3 14; U8 D2

## Via types
v1: diameter 0.6, hole 0.3, Top to Bottom, 505 vias

## Routing (per net, layer and track width the routed paths; a pad name or vN(x,y) marks a point on that pad's centre or on a via; arc(x,y) is an arc through that point)
1V8: length 8.5
  Bottom w0.2: 23.65,85.29 23.72,85.37 ; U8.C2 23.65,82.49
  Bottom w0.25: 16.2,81.75 16.2,81.17 16.08,81.05 14.7,81.05
  Bottom w0.35: C28.2 16.85,83.47 16.85,81.75 ; 16.2,81.75 16.2,82.82
  Bottom w0.4: v1(23.65,82.64) 23.65,85.29
GND: length 116.3
  Top w0.3: J6.6 33.4,42.84 33.74,42.5 ; 26.65,36.23 v1(26.65,38.18) ; v1(23.9,3.39) 23.9,4.59 ; v1(34.55,37.88) 34.55,37.55 34.21,37.21 33.76,37.21 33.65,37.1 33.65,36.23 ; v1(33.15,39.6) 32.15,38.6 32.15,36.23 ; 20.31,37.5 20.65,37.16 20.65,36.23 ; 34.9,4.59 v1(34.9,5.79) ; J6.18 30.4,42.84 v1(30.06,42.5) ; 25.15,36.23 v1(25.15,38.18) ; 34.15,36.23 34.15,37.15 ; 16.65,36.23 16.65,37.38 16.9,37.63 17.15,37.38 17.15,36.23 ; 22.15,36.23 22.15,37.53 ; 23.65,36.23 23.65,37.53
  Top w0.35: 9.17,38 9.17,36.52
  Top w0.4: 15.7,3.73 J4.5
  Top w0.6: v1(11.27,94.62) 12.4,94.62 ; v1(23.27,94.62) 24.4,94.62 ; v1(11.27,95.75) J1.1 ; v1(23.27,95.75) J3.1 ; 35.47,97.2 36.55,97.2 ; v1(23.27,96.88) 24.4,96.88 ; 35.47,94.35 36.55,94.35 ; v1(11.27,96.88) 12.4,96.88
  Bottom w0.15: v1(48.75,19.01) J5.SH v1(48.75,20.51) ; v1(31.9,17.55) 32.65,17.55 ; 37.05,83.83 v1(37.8,83.83) ; 40.77,9.45 v1(41.52,9.45) ; v1(4.8,16.5) C15.1 ; 38.6,24.33 J5.SH 38.6,25.83 ; v1(35.65,22.03) 35.65,22.78 ; v1(37.22,9.45) 37.97,9.45 ; J5.SH v1(34.77,18.78) 34.53,19.03 34.53,19.93 34.35,20.1 33.65,20.1 33.5,19.95 TVS2.2 ; R4.1 v1(35.83,93.3) ; U6.2 v1(9.1,27.7) ; v1(42.98,18.44) J5.C5 ; v1(48.75,22.95) J5.SH v1(48.75,21.45) ; 42.15,25.58 42.15,26.33 ; 9.62,20.85 9.1,20.32 9.1,19.35 ; C26.2 24.35,82.09 U8.B2 ; v1(40.4,24.5) J5.CSW v1(40.4,26) ; R3.1 v1(33.97,94.25) ; 35.65,23.58 v1(35.65,24.33) ; 37.03,84.68 v1(37.78,84.68) ; C14.2 v1(13.1,15.38)
  Bottom w0.2: R17.2 v1(15.58,85.29) ; C32.1 24.75,83.99 v1(24.75,83.24) C26.2 ; 18.45,84.92 19.2,84.92 ; 18.49,85.52 19.24,85.52 ; 26.4,83.34 v1(26.4,84.09) ; 25.65,83.38 25.65,84.13 ; 19.97,78.77 C31.2 ; U8.D1 v1(22.5,83.64) ; 25.8,84.99 v1(26.55,84.99) ; v1(13.92,77.22) 14.67,77.22 ; C28.1 v1(16.78,85.29) ; 25.84,85.74 26.59,85.74 ; 13.89,76.47 14.64,76.47
  Bottom w0.25: U3.15 34.06,83.94 ; v1(35.9,6.9) C11.2 36.9,7.15 U1.2 ; 14.33,2.4 14.33,1.68 ; C8.1 v1(30.9,21.75) ; U4.2 6.77,13.45 C13.2 v1(6.52,12.45) ; U3.15 33.14,83.97 ; 32.42,82.53 35.22,82.53 ; U3.15 33.59,84 ; U3.15 34.52,83.98 ; v1(33.7,91.05) 33.7,92 ; 16.9,37.63 17.65,37.63 ; v1(30.9,17.55) C5.1
  Bottom w0.3: C3.2 13,3.2 14.15,3.2 14.33,3.03 14.33,2.4 ; v1(48.3,13.7) 48.3,14.45 ; v1(22.72,3.82) 22.72,4.7 ; v1(40.05,78.4) 40.05,79.15 ; v1(30.45,88.65) C2.1 ; v1(41.7,78.4) 41.7,79.15 ; SW4.1 v1(37.16,50.33) ; v1(40.95,78.4) 40.95,79.15 ; v1(38.4,78.4) 38.4,79.15 ; v1(20.22,3.82) 20.22,4.7 ; v1(30,78.3) 30,79.05 ; C25.1 37.72,79.45 ; v1(12.15,3.5) 12.9,3.5 ; v1(43.5,13.7) 43.5,14.4 ; v1(27.6,78.3) 27.6,79.05 ; v1(30.02,90.4) C1.1 ; v1(19.4,3.82) 19.4,4.7 ; v1(39.3,78.4) 39.3,79.15 ; v1(36.55,13.7) 36.55,14.4 ; J5.SH v1(47.6,26.28) ; v1(47.3,13.7) 47.3,14.4 ; v1(42,13.7) 42,14.4 ; v1(37.3,13.7) 37.3,14.4 ; v1(28.35,78.3) 28.35,79.05 ; 29.92,79.43 C30.1 ; v1(37.65,78.4) 37.65,79.15 ; v1(29.25,78.3) 29.25,79.05 ; 48.5,25.58 v1(48.5,26.28) ; v1(32.03,21.8) 32.55,22.32 ; v1(21.9,3.82) 21.9,4.7 ; v1(42.75,13.7) J5.SH
  Bottom w0.35: 15.55,78.87 U7.3
  Bottom w0.6: 27.35,93.72 v1(28.85,93.72) ; 27.35,92.06 v1(28.85,92.06) ; 27.35,92.89 v1(28.85,92.89)
  vias: v1(1,33) v1(1,32) v1(1,31) v1(1,27) v1(1,26) v1(1,25) v1(1,24) v1(1,23) v1(1,22) v1(1,21) v1(1,20) v1(1,19) v1(1,18) v1(1,17) v1(1,16) v1(1,15) v1(1,14) v1(1,13) v1(1,9) v1(1,8) v1(1,7) v1(1,6) v1(1.15,98) v1(1.15,97) v1(1.15,96) v1(1.15,95) v1(2.33,13.5) v1(3.23,53.7) v1(3.3,50.92) v1(3.6,19.35) v1(3.6,17.55) v1(3.6,15.68) v1(3.67,61.65) v1(3.83,66.3) v1(3.75,63.97) v1(3.98,9.1) v1(3.98,6.75) v1(4.58,56.25) v1(5,101.78) v1(5,1.15) v1(5.25,92.4) v1(5.25,13.95) v1(5.33,97.42) v1(5.55,40.35) v1(5.55,5.25) v1(6,101.78) v1(6,11.32) v1(6,1.15) v1(7,101.78) v1(7,1.15) v1(7.42,17.4) v1(7.65,7.15) v1(7.73,16.28) v1(7.8,72.3) v1(8,101.78) v1(8,5.18) v1(8,1.15) v1(9,1.15) v1(9.23,92.47) v1(9.17,81.9) v1(9.23,77.1) v1(9.17,38) v1(9.3,97.35) v1(9.35,61.65) v1(9.49,54.08) v1(9.62,20.84) v1(9.83,5.18) v1(11.48,16.35) v1(11.83,21.3) v1(12,101.78) v1(12.05,68.1) v1(12.08,72.22) v1(12.45,77.03) v1(13,101.78) v1(13.42,37.72) v1(13.8,46.12) v1(13.92,76.47) v1(14,101.78) v1(15,101.78) v1(15.13,78.19) v1(15.7,3.72) v1(16.9,37.62) v1(16.95,53.47) v1(16.95,12.6) v1(17.33,62.4) v1(17.4,97.35) v1(17.4,92.47) v1(17.8,9.1) v1(18.45,42) v1(18.9,28.5) v1(19,101.78) v1(19.05,22.5) v1(19.05,17.55) v1(19.2,85.59) v1(19.2,84.84) v1(20,101.78) v1(19.97,78.77) v1(20.31,37.5) v1(20.3,9.1) v1(20.55,42) v1(21.08,68.33) v1(21.15,97.35) v1(21.15,92.47) v1(21.15,72.9) v1(21.22,58.65) v1(21.3,62.4) v1(22,37.53) v1(22.58,42) v1(22.9,9.1) v1(23.58,37.53) v1(24,101.78) v1(24,1.15) v1(24.47,42) v1(24.72,54.67) v1(24.75,62.4) v1(24.75,58.58) v1(25,101.78) v1(24.97,28.35) v1(25,1.15) v1(25.65,84.09) v1(26,101.78) v1(26,42) v1(25.95,40.28) v1(26,1.15) v1(26.1,22.5) v1(26.1,17.55) v1(26.25,68.25) v1(26.55,85.74) v1(27,101.78) v1(27,1.15) v1(27.38,42) v1(27.38,40.28) v1(27.45,25.2) v1(27.9,9.22) v1(28.05,62.4) v1(28.05,58.42) v1(28.05,54.67) v1(28.05,50.17) v1(28.2,45.45) v1(28.42,4.5) v1(29,42) v1(29.21,96.45) v1(30,1.15) v1(30.45,84.47) v1(30.45,72.67) v1(30.53,68.33) v1(30.53,9.3) v1(30.9,4.55) v1(31,101.78) v1(31,1.15) v1(31.75,58.5) v1(31.75,54.67) v1(31.8,50.17) v1(31.75,45.38) v1(32,101.78) v1(31.95,94.65) v1(32,1.15) v1(32.17,97.5) v1(32.91,91.04) v1(32.92,13.57) v1(33,78.22) v1(33,9.3) v1(33.3,4.5) v1(33.37,83.33) v1(33.37,81.53) v1(33.37,80.62) v1(33.37,79.72) v1(33.38,78.9) v1(33.74,42.5) v1(33.83,78.22) v1(33.75,25.2) v1(34.28,83.33) v1(34.28,81.53) v1(34.28,80.62) v1(34.28,79.72) v1(34.28,78.9) v1(34.5,91.05) v1(34.62,39.6) v1(34.65,78.22) v1(34.8,84.55) v1(35,1.15) v1(35.41,68.55) v1(35.47,97.2) v1(35.47,94.35) v1(35.6,62.47) v1(35.6,58.42) v1(35.78,54.67) v1(36,101.78) v1(36,1.15) v1(37,101.78) v1(36.97,91.2) v1(36.97,87.6) v1(37,1.15) v1(38,101.78) v1(38,1.15) v1(38.6,25.83) v1(38.6,24.32) v1(39,101.78) v1(40.3,68.47) v1(40.3,62.4) v1(40.28,58.42) v1(40.3,54.6) v1(40.3,50.17) v1(40.5,91.2) v1(40.5,87.6) v1(40.5,84.53) v1(40.58,4.5) v1(41,1.15) v1(42,1.15) v1(42.15,26.33) v1(43,101.78) v1(43.05,97.08) v1(43.05,93.45) v1(43,1.15) v1(44,101.78) v1(44.03,91.2) v1(44,1.15) v1(44.17,84.55) v1(44.17,82.28) v1(44.17,79.88) v1(44.55,27.38) v1(45,101.78) v1(45,10.95) v1(45,1.15) v1(45.08,7.2) v1(46,101.78) v1(46,1.15) v1(48.22,7.2) v1(48.45,97) v1(49.62,98) v1(49.62,97) v1(49.62,96) v1(49.62,95) v1(50,33) v1(50,32) v1(50,31) v1(50,27) v1(50,26) v1(50,25) v1(50,24) v1(50,23) v1(50,22) v1(50,21) v1(50,20) v1(50,19) v1(50,18) v1(50,17) v1(50,16) v1(50,15) v1(50,14) v1(50,13) v1(50,10) v1(50,9) v1(50,8) v1(50,7) v1(50,6) v1(50,5)
